# KiCad board Z3660_v023.kicad_pcb (continued)
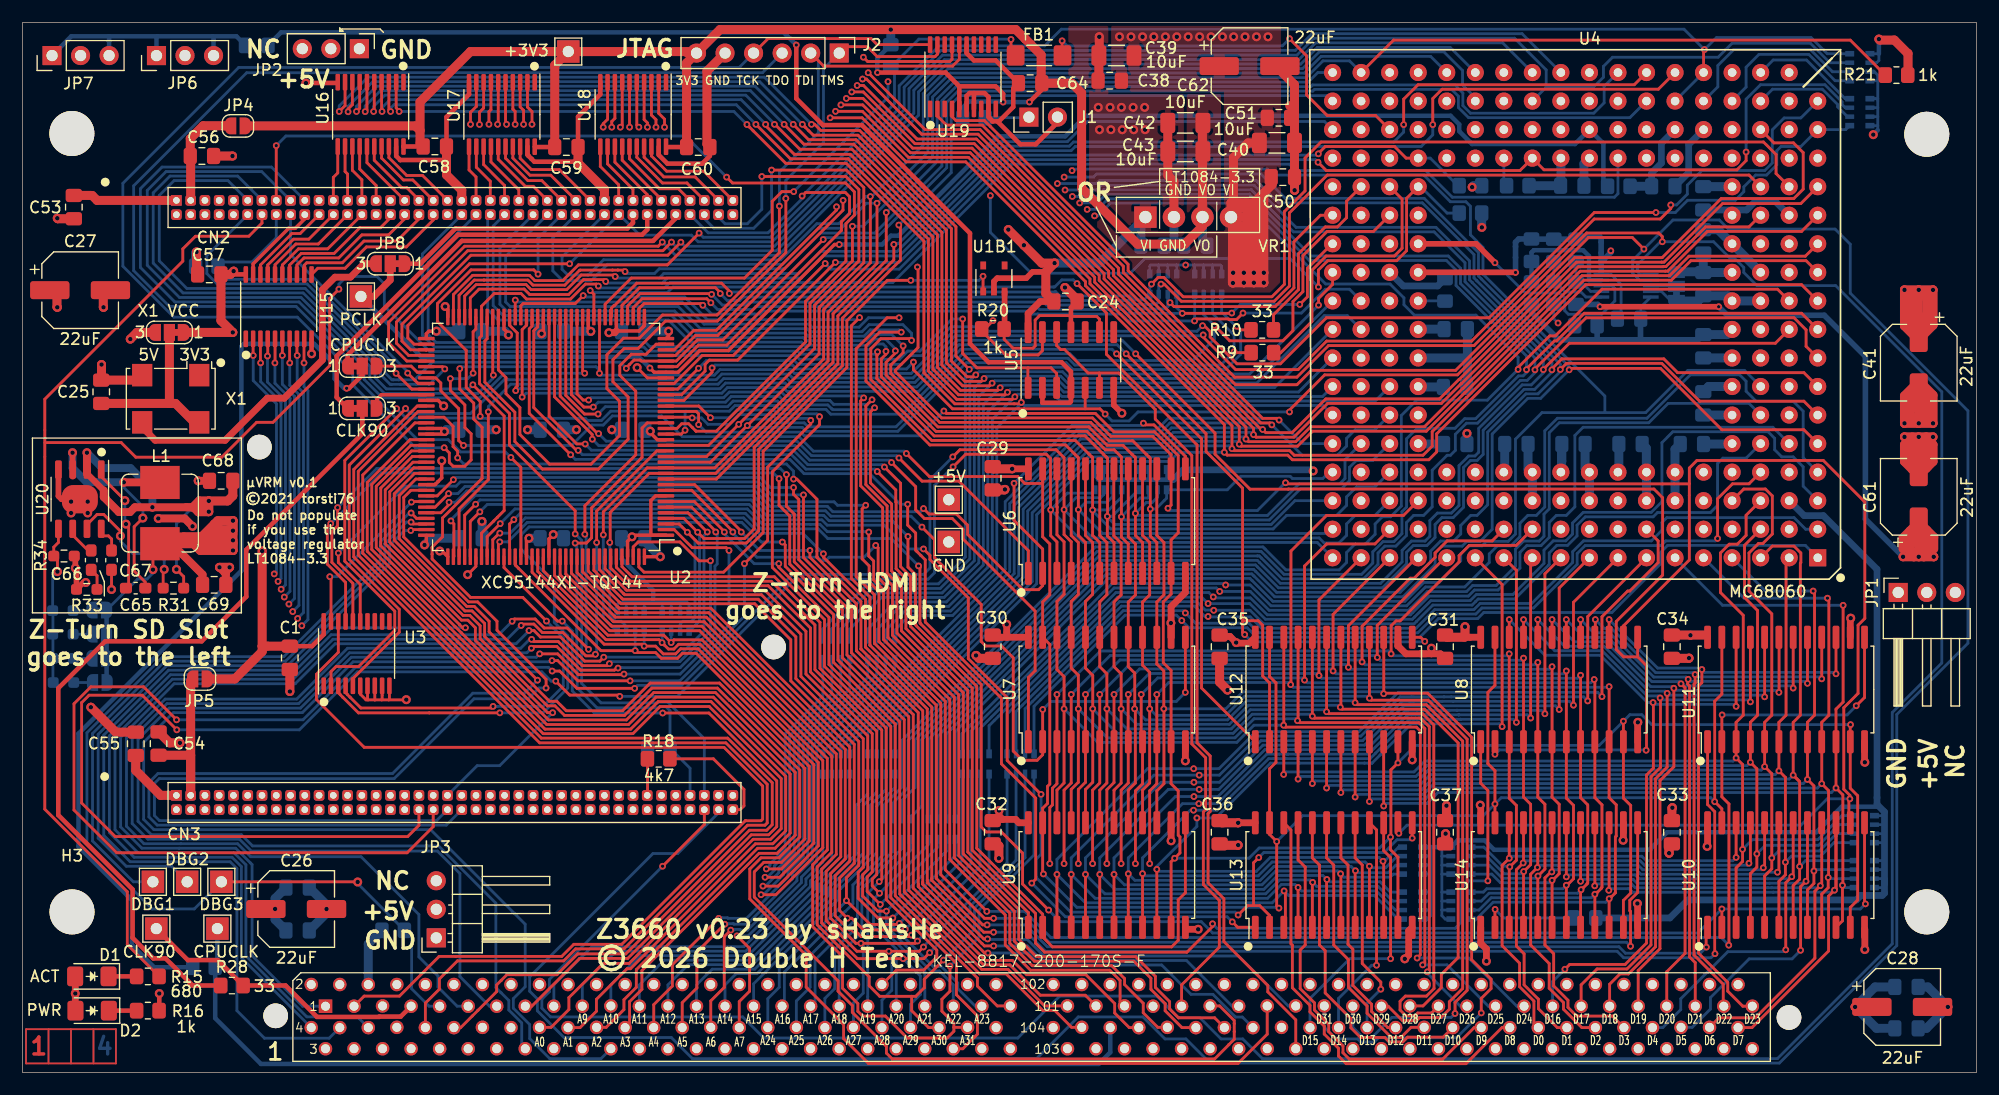
[diagram p0: board, top side]
## Routing (per net, layer and track width the routed paths; a pad name or vN(x,y) marks a point on that pad's centre or on a via; arc(x,y) is an arc through that point) (continued)
_STERM: length 120.5
  Top w0.25: 45.36,38.55 v2(45.32,38.55) 45.51,38.35 47.69,38.35 49.83,36.2 52.06,36.2 v2(52.24,36.38) ; U2.142 54.36,46.77 54.8,47.21 58.52,47.21 60.2,45.54 v2(61.24,45.54)
  Bottom w0.25: v2(52.24,36.38) 52.42,36.56 58.51,36.56 61.24,39.29 v2(61.24,45.54) ; v2(45.32,38.55) 45.14,38.55 44.35,37.75 28.94,37.75 24.41,33.23 12.7,33.23 9.26,29.78 9.26,21.92 10.81,20.36 14.1,20.36 19.15,20.36 20.3,19.2 30.14,19.2 35.29,14.06 35.29,10.29 36.99,8.59 36.99,7.61 38.69,5.9 CN1.21
_TA: length 150
  Top w0.25: v2(76.06,77.35) 76.06,72.01 71.71,67.66 71.71,63.32 61.7,53.31 U2.12 55.78,53.31 52.31,49.84 52.31,47.2 v2(52.27,47.16)
  Top w0.4: 49.26,76.33 49.26,76.29
  Bottom w0.25: U4.175 125.33,90.42 115.59,90.42 114.1,88.93 82.56,88.93 80.59,86.95 80.59,81.88 v2(76.06,77.35) 75.11,77.35 72.88,75.12 70.87,75.12 67.66,71.92 52.08,71.92 50.63,70.47 48.07,70.47 47.21,71.34 47.21,74.28 CN2.58 ; RN22.7 53.74,39.7 53.29,40.16 52.77,40.16 52.27,40.66 v2(52.27,47.16)
_TBI: length 152.3
  Top w0.25: 35.94,64.3 U2.75 ; 35.94,64.3 U2.75 ; 35.94,64.3 U2.75 ; U2.75 34.55,64.31 33.78,65.09 33.78,66.59 39.92,72.73 57.45,72.73 v2(58.6,73.89)
  Bottom w0.25: 135.62,87.68 139.83,87.68 140.72,88.56 140.72,89.53 141.53,90.34 150.93,90.34 152.17,91.59 159.14,91.59 160.87,89.86 RN1.7 ; 135.62,87.68 135.62,89.22 132.8,92.04 114.95,92.04 114.93,92.02 114.93,92.02 113.44,90.53 81.89,90.53 78.91,87.54 78.91,85.5 66.92,73.52 58.97,73.52 v2(58.6,73.89) ; 135.62,87.68 U4.155
_TCI: length 121
  Top w0.25: U2.74 34.85,64.81 34.3,65.37 34.3,66.47 39.8,71.97 v2(48.7,71.97)
  Top w0.4: 53.07,76.29 53.07,76.33
  Bottom w0.25: U4.171 133.48,92.44 114.78,92.44 114.76,92.42 114.76,92.42 113.3,90.96 81.75,90.96 78.48,87.68 78.48,85.67 66.73,73.92 60.14,73.92 59.55,74.52 54.95,74.52 53.13,76.34 CN2.64 v2(48.7,71.97)
_TEA: length 154.2
  Top w0.25: 75.53,77.88 v2(75.47,77.94) 75.47,72.05 71.34,67.93 71.34,67.85 71.3,67.82 71.3,63.49 61.63,53.81 U2.13 55.61,53.81 51.7,49.9 v2(51.7,47.85)
  Bottom w0.25: RN22.8 51.7,40.49 51.7,47.85 v2(51.7,47.85) ; CN2.62 51.78,76.34 48.03,72.59 48.03,71.47 48.54,70.97 50.37,70.97 51.72,72.32 67.49,72.32 70.71,75.53 72.66,75.53 75.07,77.94 v2(75.47,77.94) 75.59,77.94 80.18,82.53 80.18,87.11 82.4,89.33 113.93,89.33 115.42,90.82 126.52,90.82 128.18,89.16 128.18,87.88 129.31,86.75 U4.157
_TRA: length 2.6
  Bottom w0.25: R8.2 131.85,79.16 131.85,81.36
_TS: length 68.9
  Top w0.25: v2(69.4,78) 69.71,78.31 73.25,78.31 73.62,77.94 73.62,76.43 72.89,75.71 72.89,74.93 62.69,64.72 60.17,64.72 58.26,62.81 U2.31 ; FB1.1 87.99,90.92 v2(87.99,91.93)
  Bottom w0.25: v2(87.99,91.93) 87.96,91.96 79.79,91.96 R11.1 77.62,89.12 77.62,86.21 69.4,78 v2(69.4,78) 69.4,77.75 66.36,74.72 61.03,74.72 CN2.74
A0: length 96
  Top w0.25: U2.88 34.93,57.81 30.29,53.17 30.29,46.21 37.3,39.2 37.3,39.2 38.57,37.92 38.58,37.92 46.34,30.16 54.34,30.16 56.75,32.57 61.13,32.57 67.54,26.16 67.54,21.7 66.59,20.76 65.04,20.76 53.99,9.7 51.67,9.7 48.64,6.67 48.64,5.61 47.05,4.02 CN1.36
A1: length 92.6
  Top w0.25: U2.91 34.5,56.31 30.69,52.5 30.69,46.38 37.7,39.37 37.7,39.36 38.74,38.32 38.74,38.32 46.51,30.56 54.14,30.56 56.59,33.01 61.29,33.01 67.94,26.36 67.94,21.51 66.79,20.36 65.24,20.36 54.12,9.23 53.81,9.23 51.09,6.51 51.09,5.45 49.63,4 CN1.40
A2: length 90.7
  Top w0.25: CN1.44 51.95,4.02 53.54,5.61 53.54,6.48 54.64,7.58 54.64,9.16 65.44,19.95 66.99,19.95 68.34,21.31 68.34,26.56 61.49,33.41 56.39,33.41 53.95,30.97 46.67,30.97 38.91,38.72 38.9,38.72 38.1,39.53 38.1,39.53 31.09,46.54 31.09,52.34 34.56,55.81 U2.92
A3: length 88.7
  Top w0.25: U2.93 34.63,55.31 31.49,52.17 31.49,46.71 38.5,39.7 38.5,39.69 39.07,39.12 39.07,39.12 46.82,31.38 53.76,31.38 56.19,33.81 61.69,33.81 68.79,26.71 68.79,21.12 67.17,19.51 65.57,19.51 55.14,9.07 55.14,7.41 54.04,6.31 54.04,4.39 CN1.48
BCLK_FPGA: length 43.7
  Top w0.25: v2(47.19,32.02) 46.74,32.02 40.31,38.45 40.31,39.58 39.64,40.26 39.07,40.26 32.29,47.04 32.29,51.84 34.76,54.31 U2.95
  Bottom w0.25: CN3.39 40.47,27.31 42.48,27.31 v2(47.19,32.02)
CLK90: length 26.9
  Top w0.4: CN1.13 33.67,4.98 31.78,4.98 31.75,4.95 26.21,4.95 23.42,7.74 R28.2 17.38,10 14.72,10 TP10.1
  Bottom w0.25: 34.87,6.1 34.67,5.9 34.87,6.1
CLK90_CPLD: length 5.4
  Top w0.3: U2.83 31.94,60.31 31.55,59.91 JP9.3
CLK90_FPGA: length 38.7
  Top w0.4: CN2.68 55.61,75.01 55.15,74.55 38.77,74.55 27.97,63.75 27.97,60.08 JP9.1
CPUCLK: length 92.5
  Bottom w0.4: CN1.112 96.82,1.79 95.79,0.77 21.23,0.77 17.15,4.84 R29.2 17.35,9.56 17.35,13.3
CPUCLK_CPLD: length 4.6
  Top w0.25: JP10.3 34.59,62.86 35.14,62.31 U2.79
CPUCLK_FPGA: length 35.5
  Top w0.4: CN2.72 58.15,76.02 56.13,74 39.1,74 28.95,63.85 JP10.1
CPUCLK_RECVD: length 122.8
  Top w0.25: U2.46 50.86,69.26 v2(50.53,69.58) ; v2(93.86,70.2) 96.48,67.59 96.48,63.91 104.55,55.84 104.55,29.34 105.71,28.17 105.71,23.23 105.52,23.04 105.52,16.88 106.93,15.47 106.93,11.66 110.85,7.74 110.85,7.17 113.33,4.69 CN1.135
  Bottom w0.25: v2(50.53,69.58) 50.58,69.58 50.76,69.41 57.41,69.41 57.9,69.9 91.77,69.9 91.78,69.9 91.88,69.9 92.51,70.53 93.53,70.53 v2(93.86,70.2)
D0: length 43.5
  Top w0.25: U10.22 v2(152.53,19.14) ; CN1.172 134.53,4.39 134.53,6.36 133.26,7.63 133.26,9.73 131.7,11.29 131.7,18.43 v2(132.34,19.07) 132.33,19.07 U14.22
  Bottom w0.25: v2(132.34,19.07) 132.51,19.24 144.14,19.24 144.54,18.85 152.23,18.85 v2(152.53,19.14)
D1: length 44.9
  Top w0.25: v2(153.67,18.62) 153.8,18.75 U10.21 ; U14.21 133.6,18.68 v2(133.57,18.65) 132.97,18.04 132.97,11.25 133.66,10.56 133.66,7.8 134.93,6.52 134.93,5.68 136.61,4 CN1.176
  Bottom w0.25: v2(133.57,18.65) 133.77,18.84 143.98,18.84 144.38,18.45 153.5,18.45 v2(153.67,18.62)
D2: length 46.1
  Top w0.25: v2(154.94,18.22) 155.07,18.34 U10.20 ; U14.20 134.87,18.28 v2(134.84,18.25) 134.24,17.65 134.24,11.35 135.89,9.7 135.89,7.5 137.16,6.23 137.16,5.63 138.8,4 CN1.180
  Bottom w0.25: v2(154.94,18.22) 154.77,18.05 144.21,18.05 143.81,18.44 135.04,18.44 v2(134.84,18.25)
D3: length 48.2
  Top w0.25: U10.19 156.34,17.95 v2(156.21,17.82) ; U14.19 136.14,17.87 v2(136.12,17.85) 136.04,17.85 135.51,17.32 135.51,11.35 136.29,10.57 136.29,7.7 137.56,6.43 137.56,5.8 138.33,5.03 141.51,5.03 CN1.184
  Bottom w0.25: v2(136.12,17.85) 136.31,18.04 143.65,18.04 144.05,17.64 155.18,17.64 155.36,17.82 v2(156.21,17.82)
D4: length 52
  Top w0.25: 157.61,22.22 157.61,17.55 v2(157.48,17.42) 156.95,16.89 v2(156.95,10.92) ; U14.18 v2(137.41,17.41)
  Bottom w0.25: v2(156.95,10.92) 156.78,10.76 151.79,10.76 147.6,6.56 147.6,5.6 146,4 CN1.188 ; v2(137.41,17.41) 137.59,17.59 143.54,17.59 143.88,17.24 155.35,17.24 155.35,17.24 157.3,17.24 v2(157.48,17.42)
D5: length 51.2
  Top w0.25: U10.17 158.88,17.15 v2(158.75,17.02) 158.27,16.54 v2(158.27,10.88) ; U14.17 v2(138.68,17.01)
  Bottom w0.25: v2(138.68,17.01) 138.86,17.19 143.37,17.19 143.72,16.84 155.51,16.84 155.52,16.84 158.57,16.84 v2(158.75,17.02) ; CN1.192 148.62,4.02 150.24,5.64 150.24,6.67 153.69,10.12 157.51,10.12 v2(158.27,10.88)
D6: length 50.2
  Top w0.25: v2(139.94,16.61) 139.95,16.63 U14.16 ; U10.16 160.15,16.75 v2(160.02,16.62) 159.54,16.14 159.54,10.17 154.24,4.87 151.01,4.87 CN1.196
  Bottom w0.25: v2(139.94,16.61) 140.12,16.79 143.2,16.79 143.55,16.44 155.68,16.44 155.68,16.44 159.84,16.44 v2(160.02,16.62)
D7: length 55.9
  Top w0.25: U14.15 141.22,16.24 v2(141.19,16.21) ; 161.42,16.36 v2(161.28,16.23) 160.76,15.7 160.76,10.82 153.94,4 CN1.200 ; 161.42,16.36 U10.15 161.42,21.04 ; 161.42,16.36 161.42,21.04 ; 161.42,22.09 161.42,21.04
  Bottom w0.25: v2(161.28,16.23) 161.1,16.04 155.85,16.04 155.85,16.04 143.3,16.04 142.98,16.36 141.34,16.36 v2(141.19,16.21)
D8: length 39.6
  Top w0.25: U13.22 112.9,21.59 112.9,11.46 113.03,11.33 113.03,7.54 114.6,5.97 114.6,5.4 115.87,4.13 115.87,3.42 117.14,2.15 117.14,1.47 117.82,0.79 128.48,0.79 131.69,4 CN1.168
D9: length 36.2
  Top w0.25: CN1.164 129.21,4 126.41,1.19 118.1,1.19 117.54,1.75 117.54,2.36 116.27,3.63 116.27,4.29 115,5.56 115,6.2 113.73,7.47 113.73,10.9 114.17,11.35 114.17,18.28 113.54,18.92 U13.21
D10: length 29.8
  Top w0.25: CN1.160 126.45,3.15 123.28,3.15 122.86,2.72 121.65,2.72 121.25,3.12 119.1,3.12 118.24,3.98 118.24,4.8 115.95,7.08 115.95,10.84 115.44,11.35 115.44,18.46 114.81,19.1 U13.20
D11: length 24.8
  Top w0.25: U13.19 116.08,19.1 116.71,18.46 116.71,11.35 118.02,10.05 118.02,7.58 119.68,5.92 119.68,5.28 121.84,3.12 122.69,3.12 123.59,4.02 CN1.156
D12: length 20.7
  Top w0.25: CN1.152 121.53,4 120.08,5.44 120.08,6.08 118.42,7.75 118.42,10.98 117.98,11.41 117.98,18.46 117.35,19.1 U13.18
D13: length 19.7
  Top w0.25: U13.17 118.62,19.1 119.25,18.46 119.25,9.7 120.9,8.05 v2(120.9,7.41)
  Bottom w0.25: v2(120.9,7.41) 119.68,6.19 CN1.148
D14: length 20.1
  Top w0.25: v2(120.52,9.55) 120.52,21.59 U13.16
  Bottom w0.25: CN1.144 117.14,6.59 120.09,9.55 v2(120.52,9.55)
D15: length 23.6
  Top w0.25: v2(121.77,10.13) 121.77,19.13 121.16,19.74 U13.15
  Bottom w0.25: v2(121.77,10.13) 118.14,10.13 114.6,6.59 CN1.140
D16: length 64.8
  Top w0.25: v2(145.14,32.92) 145.16,32.9 145.16,27.08 144.55,26.47 144.55,11.52 142.65,9.61 137.71,9.61 v2(137.29,9.19) ; 132.33,38.73 v2(132.33,40.31) ; 152.53,38.73 v2(152.53,32.58)
  Bottom w0.25: v2(137.29,9.19) 136.19,8.09 CN1.169 ; v2(132.33,40.31) 135.51,37.13 140.43,37.13 144.64,32.92 v2(145.14,32.92) 145.3,32.76 152.35,32.76 v2(152.53,32.58)
D17: length 62.5
  Top w0.25: 153.8,38.73 v2(153.8,32.98) ; 133.6,38.73 v2(133.6,40.31) ; v2(145.76,33.33) 145.8,33.3 145.8,27.15 144.95,26.31 144.95,11.35 142.81,9.21 140.15,9.21 138.73,7.8 CN1.173
  Bottom w0.25: v2(153.8,32.98) 153.62,33.16 145.94,33.16 v2(145.76,33.33) 145.58,33.51 144.62,33.51 140.6,37.53 136.38,37.53 v2(133.6,40.31)
D18: length 60.3
  Top w0.25: 134.87,38.73 v2(134.87,40.31) ; 155.07,38.73 v2(155.07,33.43) ; v2(146.39,33.75) 146.39,27.18 145.35,26.14 145.35,11.19 142.93,8.77 142.18,8.77 141.27,7.86 CN1.177
  Bottom w0.25: v2(155.07,33.43) 154.92,33.58 146.56,33.58 v2(146.39,33.75) 146.2,33.94 144.76,33.94 140.76,37.93 137.25,37.93 v2(134.87,40.31)
D19: length 59
  Top w0.25: CN1.181 143.81,9.08 145.75,11.02 145.75,25.98 146.99,27.21 v2(146.99,34.2) ; v2(156.34,33.83) 156.35,33.84 156.35,38.72 156.34,38.73 ; 136.14,38.73 v2(136.14,40.31)
  Bottom w0.25: v2(156.34,33.83) 156.16,34.01 147.18,34.01 v2(146.99,34.2) 146.85,34.34 144.92,34.34 140.93,38.33 138.12,38.33 v2(136.14,40.31)
D20: length 58.3
  Top w0.25: v2(147.62,34.59) 147.98,34.24 147.98,10.6 146.35,8.97 CN1.185 ; 137.41,38.73 v2(137.41,40.31) ; 157.61,38.73 v2(157.61,34.21)
  Bottom w0.25: v2(137.41,40.31) 138.99,38.73 141.1,38.73 145.04,34.79 147.43,34.79 v2(147.62,34.59) 147.81,34.41 157.41,34.41 v2(157.61,34.21)
D21: length 57.6
  Top w0.25: v2(148.26,34.99) 148.21,34.94 148.21,34.57 148.38,34.4 148.38,10.29 148.89,9.78 CN1.189 ; 138.68,38.73 v2(138.68,40.31) ; 158.88,38.73 v2(158.88,34.63)
  Bottom w0.25: v2(158.88,34.63) 158.7,34.81 148.44,34.81 v2(148.26,34.99) 148.06,35.19 145.2,35.19 141.26,39.13 139.86,39.13 v2(138.68,40.31)
D22: length 58.3
  Top w0.25: 139.95,38.73 140,38.78 v2(140,40.31) ; 160.15,38.73 v2(160.15,35.03) ; CN1.193 151.38,5.95 151.38,7.85 148.78,10.45 148.78,34.24 148.78,34.56 148.88,34.66 v2(148.88,35.41)
  Bottom w0.25: v2(160.15,35.03) 159.97,35.21 149.08,35.21 v2(148.88,35.41) 148.7,35.59 145.37,35.59 141.43,39.53 140.77,39.53 v2(140,40.31)
D23: length 59.6
  Top w0.25: 161.42,38.73 v2(161.42,35.48) ; v2(149.48,35.86) 149.48,34.69 149.18,34.39 149.18,10.62 151.78,8.02 151.78,7.24 153.12,5.9 CN1.197 ; 141.22,38.73 v2(141.22,40.31)
  Bottom w0.25: v2(161.42,35.48) 161.29,35.61 149.73,35.61 v2(149.48,35.86) 149.35,35.99 145.54,35.99 v2(141.22,40.31)
D24: length 105.8
  Top w0.25: U9.22 92.08,25.13 92.71,25.76 v2(92.71,32.36) 92.71,35.23 92.08,35.86 92.08,41.92 92.71,42.55 92.71,47.22 92.08,47.86 92.08,49.81 92.1,49.83 92.1,50.31 92.08,50.33 U6.22 ; v2(124.13,10.19) 124.42,10.47 124.42,30.39 124.08,30.73 112.43,30.73 v2(112.25,30.91) 112.27,30.92 112.27,38.73
  Bottom w0.25: v2(124.13,10.19) 128.73,10.19 133.01,5.9 CN1.165 ; v2(112.25,30.91) 109.61,30.91 108.09,29.38 95.69,29.38 v2(92.71,32.36)
D25: length 102.1
  Top w0.25: U9.21 93.35,25.19 93.98,25.83 v2(93.98,32.36) 93.98,35.35 93.35,35.99 93.35,41.92 93.98,42.55 93.98,47.16 93.35,47.8 U6.21 ; v2(124.63,9.58) 124.82,9.77 124.82,30.6 124.29,31.13 113.66,31.13 v2(113.49,31.31) 113.54,31.36 113.54,38.73
  Bottom w0.25: v2(124.63,9.58) 126.8,9.58 130.48,5.9 CN1.161 ; v2(113.49,31.31) 113.31,31.48 109.62,31.48 107.92,29.78 96.56,29.78 v2(93.98,32.36)
D26: length 98.4
  Top w0.25: v2(125.04,8.95) 125.22,9.13 125.22,30.77 124.45,31.53 114.98,31.53 v2(114.81,31.71) 114.81,38.73 ; U9.20 94.61,25.19 95.26,25.83 v2(95.26,32.36) 95.26,35.34 94.61,35.99 94.61,41.92 95.25,42.55 95.25,47.16 94.61,47.8 U6.20
  Bottom w0.25: CN1.157 127.98,5.9 125.04,8.83 v2(125.04,8.95) ; v2(95.26,32.36) 97.44,30.18 107.76,30.18 109.46,31.88 114.63,31.88 v2(114.81,31.71)
D27: length 102
  Top w0.25: CN1.153 125.43,5.29 124.19,5.29 123.95,5.05 123.13,5.05 122.62,5.56 122.62,6.33 123.09,6.8 124.97,6.8 125.64,7.47 125.64,8.19 125.62,8.21 125.62,30.93 124.62,31.93 116.25,31.93 v2(116.08,32.11) 116.08,38.73 ; U6.19 95.89,47.8 96.52,47.16 96.52,42.53 95.89,41.89 95.89,36.11 96.52,35.48 v2(96.52,32.36) 96.52,25.76 95.89,25.13 U9.19
  Bottom w0.25: v2(116.08,32.11) 115.9,32.28 109.29,32.28 107.59,30.58 98.3,30.58 v2(96.52,32.36)
D28: length 97.3
  Top w0.25: 97.16,53.72 97.14,53.7 97.14,47.76 97.79,47.11 97.79,42.5 97.16,41.87 97.16,36.11 97.79,35.48 v2(97.79,32.36) 97.79,25.76 97.16,25.12 97.16,22.22 ; 117.35,38.73 117.35,32.56 v2(117.3,32.51) 117.47,32.33 124.78,32.33 127.79,29.33 127.79,10.23 126.29,8.73 126.29,7.56 124.66,5.93 CN1.149
  Bottom w0.25: v2(97.79,32.36) 99.17,30.98 107.42,30.98 109.13,32.68 117.12,32.68 v2(117.3,32.51)
D29: length 101.5
  Top w0.25: U9.17 98.42,25.13 99.05,25.76 99.05,32.3 v2(98.99,32.36) 99,32.38 99,35.54 98.42,36.11 98.42,41.87 99.06,42.5 99.06,47.04 98.42,47.67 U6.17 ; CN1.145 121.55,5.9 122.84,4.62 124.08,4.62 124.36,4.9 126.26,4.9 127,5.63 127,6.29 128.19,7.48 128.19,29.5 124.95,32.73 118.79,32.73 v2(118.62,32.91) 118.62,38.73
  Bottom w0.25: v2(118.62,32.91) 118.44,33.08 108.96,33.08 107.26,31.38 99.97,31.38 v2(98.99,32.36)
D30: length 105.8
  Top w0.25: v2(127.51,5.25) 127.51,6.23 128.59,7.31 128.59,29.66 125.12,33.13 120.06,33.13 v2(119.89,33.31) 119.89,38.73 ; U6.16 99.7,47.8 100.33,47.16 100.33,42.5 99.7,41.87 99.7,36.24 100.33,35.61 v2(100.33,32.36) 100.33,25.76 99.7,25.13 U9.16
  Bottom w0.25: v2(127.51,5.25) 127.16,4.9 121.89,4.9 120.11,3.12 119.32,3.12 118.41,4.03 CN1.141 ; v2(119.89,33.31) 119.71,33.48 108.79,33.48 107.09,31.78 100.91,31.78 v2(100.33,32.36)
D31: length 110.4
  Top w0.25: U9.15 100.97,25.06 101.6,25.7 101.6,32.35 v2(101.59,32.36) 101.59,35.73 100.97,36.36 100.97,41.87 101.6,42.51 101.6,47.16 100.97,47.8 U6.15 ; 121.16,33.75 125.08,33.75 128.99,29.84 128.99,10.04 130.72,8.31 130.72,7.47 129.84,6.6 v2(129.84,5.3) ; 121.16,33.75 121.17,33.76 121.17,38.72 121.16,38.73 ; 121.16,33.75 v2(121.16,33.71)
  Bottom w0.25: v2(101.59,32.36) 107.11,32.36 108.63,33.88 120.98,33.88 v2(121.16,33.71) ; CN1.137 115.87,4.03 116.91,2.99 118.85,2.99 119.13,2.71 120.31,2.71 120.69,3.09 127.64,3.09 v2(129.84,5.3)
D040_0: length 196.1
  Top w0.25: U12.3 112.27,26.54 v2(112.25,26.52) ; U4.39 153.42,49.59 153.42,47.8 152.63,47.01 151.91,47.01 151.13,46.23 151.13,42.71 153.16,40.69 153.16,31.8 152.53,31.16 U11.3 v2(152.53,27.99) 153.1,27.41 v2(153.1,19.86) 153.1,18.78 152.53,18.21 U10.3
  In2.Cu w0.25: v2(112.25,26.52) 112.1,26.37 110.35,26.37 105.31,31.42 24.26,31.42 CN3.7
  Bottom w0.25: v2(153.1,19.86) 153.96,20.72 159.8,20.72 161.94,22.86 RN18.8 ; v2(112.25,26.52) 112.48,26.75 123.86,26.75 124.82,27.71 152.25,27.71 v2(152.53,27.99)
D040_1: length 190.7
  Top w0.25: U4.21 153.27,46.91 153.27,42.27 154.43,41.11 154.43,31.8 153.8,31.16 U11.4 v2(153.8,27.61) 154.37,27.03 v2(154.37,19.46) 154.37,18.27 153.8,17.7 U10.4 ; U12.4 v2(113.54,26.12)
  In2.Cu w0.25: v2(113.54,26.12) 113.37,25.95 110.21,25.95 105.14,31.02 25.13,31.02 18.78,24.66
  Bottom w0.25: RN18.7 161.7,22.06 159.87,20.22 155.13,20.22 v2(154.37,19.46) ; v2(113.54,26.12) 113.77,26.35 124.02,26.35 124.99,27.31 153.5,27.31 v2(153.8,27.61)
D040_2: length 197.6
  Top w0.25: U10.5 155.07,17.49 155.7,18.13 v2(155.7,19.1) 155.7,26.59 v2(155.07,27.22) U11.5 155.07,31.16 155.7,31.8 155.7,40.81 153.67,42.84 153.67,46.23 154.51,47.07 154.9,47.07 155.75,47.91 155.75,51.31 155.14,51.92 153.21,51.92 U4.40 ; U12.5 v2(114.81,25.72)
  In2.Cu w0.25: CN3.11 26,30.62 104.98,30.62 110.05,25.54 114.63,25.54 v2(114.81,25.72)
  Bottom w0.25: v2(155.07,27.22) 154.76,26.91 125.16,26.91 124.19,25.95 115.04,25.95 v2(114.81,25.72) ; RN18.6 161.47,21.26 159.93,19.72 156.32,19.72 v2(155.7,19.1)
D040_3: length 184.8
  Top w0.25: U12.6 v2(116.08,25.32) ; U4.2 156.97,45.53 156.97,31.8 156.34,31.16 U11.6 v2(156.34,26.84) 156.91,26.27 v2(156.91,18.72) 156.91,17.59 156.34,17.01 U10.6
  In2.Cu w0.25: v2(116.08,25.32) 115.9,25.14 109.89,25.14 104.81,30.22 26.87,30.22 CN3.13
  Bottom w0.25: v2(116.08,25.32) 116.31,25.55 124.36,25.55 125.32,26.51 156.01,26.51 v2(156.34,26.84) ; v2(156.91,18.72) 157.45,19.26 160.04,19.26 161.24,20.45 RN18.5
D040_4: length 187.3
  Top w0.25: v2(157.61,26.46) 158.18,25.89 v2(158.18,18.33) 158.18,17.21 157.61,16.63 157.61,12.92 ; v2(157.61,26.46) 157.61,31.16 158.24,31.8 158.24,45.33 158.29,45.37 158.29,46.23 157.68,46.84 155.75,46.84 U4.3 ; v2(157.61,26.46) 158.12,25.95 ; U12.7 v2(117.35,24.92)
  In2.Cu w0.25: 23.86,24.66 29.01,29.81 104.65,29.81 109.72,24.74 117.17,24.74 v2(117.35,24.92)
  Bottom w0.25: RN17.8 158.7,18.86 v2(158.18,18.33) ; v2(117.35,24.92) 117.58,25.15 124.52,25.15 125.49,26.11 157.26,26.11 v2(157.61,26.46)
D040_5: length 186.2
  Top w0.25: v2(159.38,42.84) 159.51,42.72 159.51,31.8 158.88,31.17 U11.8 v2(158.88,26.08) 159.45,25.51 v2(159.45,17.93) 159.45,16.83 158.88,16.25 U10.8 ; U12.8 v2(118.62,24.52)
  In2.Cu w0.25: CN3.19 29.88,29.42 104.48,29.42 109.55,24.34 118.44,24.34 v2(118.62,24.52)
  Bottom w0.25: v2(159.38,42.84) 155.13,42.84 U4.4 ; v2(118.62,24.52) 118.85,24.75 124.69,24.75 125.65,25.71 158.51,25.71 v2(158.88,26.08) ; RN17.7 159.57,18.06 v2(159.45,17.93)
D040_6: length 188.7
  Top w0.25: U10.9 160.15,15.87 160.72,16.45 v2(160.72,17.36) 160.76,17.39 160.76,25.09 v2(160.15,25.7) U11.9 160.15,31.16 160.78,31.8 160.78,42.08 v2(160.66,42.21) ; U12.9 v2(119.89,24.12)
  In2.Cu w0.25: v2(119.89,24.12) 119.71,23.94 109.39,23.94 104.31,29.02 30.75,29.02 CN3.21
  Bottom w0.25: v2(160.15,25.7) 159.76,25.31 125.82,25.31 124.85,24.35 120.12,24.35 v2(119.89,24.12) ; 149.63,45.8 153.23,42.21 v2(160.66,42.21) ; RN17.6 160.82,17.26 v2(160.72,17.36)
D040_7: length 191.2
  Top w0.25: v2(162.05,41.58) 162.05,32.97 161.42,32.34 U11.10 v2(161.42,25.32) 162.03,24.71 162.03,16.69 v2(161.99,16.66) 161.99,13.5 U10.10 ; U12.10 v2(121.16,23.72)
  In2.Cu w0.25: v2(121.16,23.72) 120.98,23.54 109.22,23.54 104.15,28.62 31.62,28.62 CN3.23
  Bottom w0.25: U4.6 151.32,41.58 v2(162.05,41.58) ; RN17.5 162.19,16.45 v2(161.99,16.66) ; v2(121.16,23.72) 121.39,23.95 125.02,23.95 125.98,24.91 161.01,24.91 v2(161.42,25.32)
D040_8: length 191
  Top w0.25: U13.3 112.41,13.06 112.41,16.04 v2(112.29,16.16) ; U4.25 145.59,47.31 145.59,45.37 143.06,42.84 142.88,42.84 140.59,40.56 v2(140.59,33.45) ; U9.3 v2(92.08,17.63)
  In2.Cu w0.25: v2(104.25,27.04) 103.13,27.04 101.95,28.22 33.76,28.22 CN3.27
  Bottom w0.25: RN16.5 122.44,13.66 120.34,15.76 112.7,15.76 v2(112.29,16.16) 111.24,15.1 94.61,15.1 v2(92.08,17.63) 92.08,18.97 100.14,27.04 v2(104.25,27.04) 106.5,27.04 109.8,30.33 118.96,30.33 122.46,33.83 140.21,33.83 v2(140.59,33.45)
D040_9: length 183.6
  Top w0.25: U9.4 v2(93.35,17.63) ; U4.7 139.32,40.57 v2(139.32,33.07) ; U13.4 v2(113.54,16.47)
  In2.Cu w0.25: CN3.29 34.63,27.81 101.79,27.81 103.14,26.46 v2(104.74,26.46)
  Bottom w0.25: RN16.6 122.2,14.45 120.5,16.16 113.84,16.16 v2(113.54,16.47) 113.27,16.74 112.06,16.74 110.82,15.5 95.48,15.5 v2(93.35,17.63) 93.35,19.1 100.71,26.46 v2(104.74,26.46) 106.54,26.46 110.01,29.93 119.13,29.93 122.62,33.43 138.95,33.43 v2(139.32,33.07)
D040_10: length 177.8
  Top w0.25: v2(138.05,32.69) 138.05,41.84 U4.8 ; U9.5 v2(94.61,17.63) ; v2(114.83,16.92) 114.81,16.9 U13.5
  In2.Cu w0.25: CN3.31 35.5,27.42 101.62,27.42 103.21,25.83 v2(104.27,25.83)
  Bottom w0.25: v2(138.05,32.69) 137.7,33.03 127.35,33.03 123.64,33.03 122.79,33.03 119.29,29.53 112.02,29.53 110.24,29.53 106.54,25.83 v2(104.27,25.83) 101.35,25.83 94.61,19.1 v2(94.61,17.63) 96.35,15.9 110.66,15.9 111.89,17.14 114.62,17.14 v2(114.83,16.92) 115.19,16.57 120.66,16.57 121.97,15.26 RN16.7
D040_11: length 172.8
  Top w0.25: U9.6 v2(95.89,17.63) ; v2(136.78,32.3) 136.78,43.11 139.47,45.8 ; U13.6 116.08,17.15 v2(116.1,17.18)
  In2.Cu w0.25: 34.02,24.66 36.37,27.02 101.45,27.02 103.28,25.19 v2(104.74,25.19)
  Bottom w0.25: v2(136.78,32.3) 136.45,32.63 122.96,32.63 119.46,29.13 110.42,29.13 106.48,25.19 v2(104.74,25.19) 101.98,25.19 95.89,19.1 v2(95.89,17.63) 97.22,16.3 110.49,16.3 111.72,17.54 115.74,17.54 v2(116.1,17.18) 116.31,16.97 120.84,16.97 121.75,16.06 RN16.8
D040_12: length 165.6
  Top w0.25: 97.16,12.92 v2(97.16,17.63) ; v2(117.32,17.68) 117.35,17.66 U13.7 ; U4.10 135.51,44.38 v2(135.51,31.92)
  In2.Cu w0.25: v2(104.27,24.56) 103.35,24.56 101.29,26.62 38.51,26.62 CN3.37
  Bottom w0.25: RN15.5 122.01,17.66 121.74,17.38 117.63,17.38 v2(117.32,17.68) 117.07,17.94 111.56,17.94 110.33,16.7 98.09,16.7 v2(97.16,17.63) 97.16,19.1 102.62,24.56 v2(104.27,24.56) 106.41,24.56 110.59,28.73 119.62,28.73 123.12,32.23 123.31,32.23 124.14,32.23 127.68,32.23 135.2,32.23 v2(135.51,31.92)
D040_13: length 159.6
  Top w0.25: v2(118.64,17.95) 118.62,17.93 U13.8 ; U9.8 v2(98.42,17.68) ; U4.11 134.24,45.65 v2(134.24,31.54)
  In2.Cu w0.25: v2(104.71,23.92) 103.42,23.92 101.12,26.22 40.65,26.22 CN3.41
  Bottom w0.25: v2(134.24,31.54) 133.95,31.83 127.84,31.83 126.85,31.83 123.29,31.83 119.79,28.33 113.32,28.33 110.75,28.33 106.34,23.92 v2(104.71,23.92) 103.25,23.92 98.42,19.1 v2(98.42,17.68) 99.01,17.1 110.16,17.1 111.39,18.34 118.26,18.34 v2(118.64,17.95) 118.82,17.78 121.57,17.78 122.25,18.45 RN15.6
D040_14: length 154.9
  Top w0.25: U9.9 v2(99.7,17.7) ; v2(132.97,31.16) 132.97,44.69 131.85,45.8 ; U13.9 v2(119.89,18.35)
  In2.Cu w0.25: CN3.43 41.52,25.82 100.96,25.82 103.43,23.34 v2(104.23,23.34)
  Bottom w0.25: v2(132.97,31.16) 132.7,31.43 128.01,31.43 127.68,31.43 126.68,31.43 123.45,31.43 120.44,28.42 119.95,27.93 113.49,27.93 110.92,27.93 106.33,23.34 v2(104.23,23.34) 103.94,23.34 99.7,19.1 v2(99.7,17.7) 99.89,17.5 109.99,17.5 111.23,18.74 119.51,18.74 v2(119.89,18.35) 120.02,18.22 121.34,18.22 122.37,19.26 RN15.7
D040_15: length 150.1
  Top w0.25: U9.10 v2(100.97,18.08) ; U4.13 131.7,43.42 v2(131.7,30.78) ; U13.10 121.16,18.74 v2(121.1,18.8)
  In2.Cu w0.25: CN3.47 43.66,25.42 100.79,25.42 103.55,22.65 v2(104.53,22.65)
  Bottom w0.25: RN15.8 122.49,20.06 121.23,18.8 v2(121.1,18.8) 120.76,19.14 111.06,19.14 109.83,17.9 101.14,17.9 v2(100.97,18.08) 100.97,18.33 104.53,21.9 v2(104.53,22.65) 106.21,22.65 111.09,27.53 113.65,27.53 119.46,27.53 120.12,27.53 120.84,28.26 123.62,31.03 131.45,31.03 v2(131.7,30.78)
D040_16: length 176.3
  Top w0.25: U4.29 132.95,46.91 128.78,46.91 127.87,46 127.87,45.44 122.62,40.19 122.26,40.19 121.82,39.75 v2(121.82,37.26) ; v2(92.08,33.64) U7.3 92.08,25.69 91.67,25.29 91.67,23.82 91.44,23.58 v2(91.44,18.59) ; U14.3 132.33,18.25 v2(132.38,18.3) 132.97,18.89 132.97,23.77 132.33,24.4 U8.3 v2(132.33,37.26)
  In2.Cu w0.25: CN3.16 26.25,19.73 86.35,19.73 86.36,19.74 90.29,19.74 v2(91.44,18.59)
  Bottom w0.25: v2(132.38,18.3) 132.32,18.37 131.77,18.37 130.08,20.06 RN14.5 ; v2(92.08,33.64) 95.95,37.51 121.56,37.51 v2(121.82,37.26) 121.99,37.08 132.16,37.08 v2(132.33,37.26)
D040_17: length 169.5
  Top w0.25: U14.4 133.6,17.87 v2(133.62,17.89) 134.24,18.5 134.24,23.87 133.6,24.51 U8.4 v2(133.6,36.88) ; v2(120.59,36.94) 120.58,36.95 120.58,39.78 126.6,45.8 U4.14 ; v2(93.35,33.64) 93.35,33.64 U7.4 93.35,25.76 92.71,25.13 v2(92.71,18.59)
  In2.Cu w0.25: v2(92.71,18.59) 91.16,20.14 86.19,20.14 86.18,20.13 27.12,20.13 23.86,23.39
  Bottom w0.25: v2(133.6,36.88) 133.41,36.68 120.85,36.68 v2(120.59,36.94) 120.42,37.11 96.82,37.11 v2(93.35,33.64) ; RN14.6 130.31,19.26 131.88,17.69 133.42,17.69 v2(133.62,17.89)
D040_18: length 178.2
  Top w0.25: v2(94.61,33.64) U7.5 94.61,25.83 93.98,25.19 v2(93.98,18.59) ; v2(119.23,36.54) 119.23,39.7 123.52,43.99 123.88,43.99 125.73,45.84 125.73,46.23 126.81,47.31 130.81,47.31 131.85,48.34 ; U14.5 134.87,17.47 v2(134.89,17.49) 135.51,18.1 135.51,23.87 134.87,24.51 U8.5 134.87,36.49 v2(134.88,36.5)
  In2.Cu w0.25: CN3.20 27.99,20.53 86.02,20.53 86.03,20.54 92.03,20.54 v2(93.98,18.59)
  Bottom w0.25: v2(94.61,33.64) 97.69,36.71 119.06,36.71 v2(119.23,36.54) 119.49,36.28 134.66,36.28 v2(134.88,36.5) ; RN14.7 130.55,18.45 131.71,17.29 134.69,17.29 v2(134.89,17.49)